# Altium PCB Ixora.PcbDoc (part 5 of 13)
Units mm, origin at the board's own origin, x right, y up, seen from the top; angles counter-clockwise.
Board outline 125 x 90 mm, 6 copper layers (Top Layer, GND, Mid-Layer 1, Mid-Layer 2, POWER, Bottom Layer), stack 1.561 mm thick; 454 components, 512 nets, 2071 pads, 863 vias.
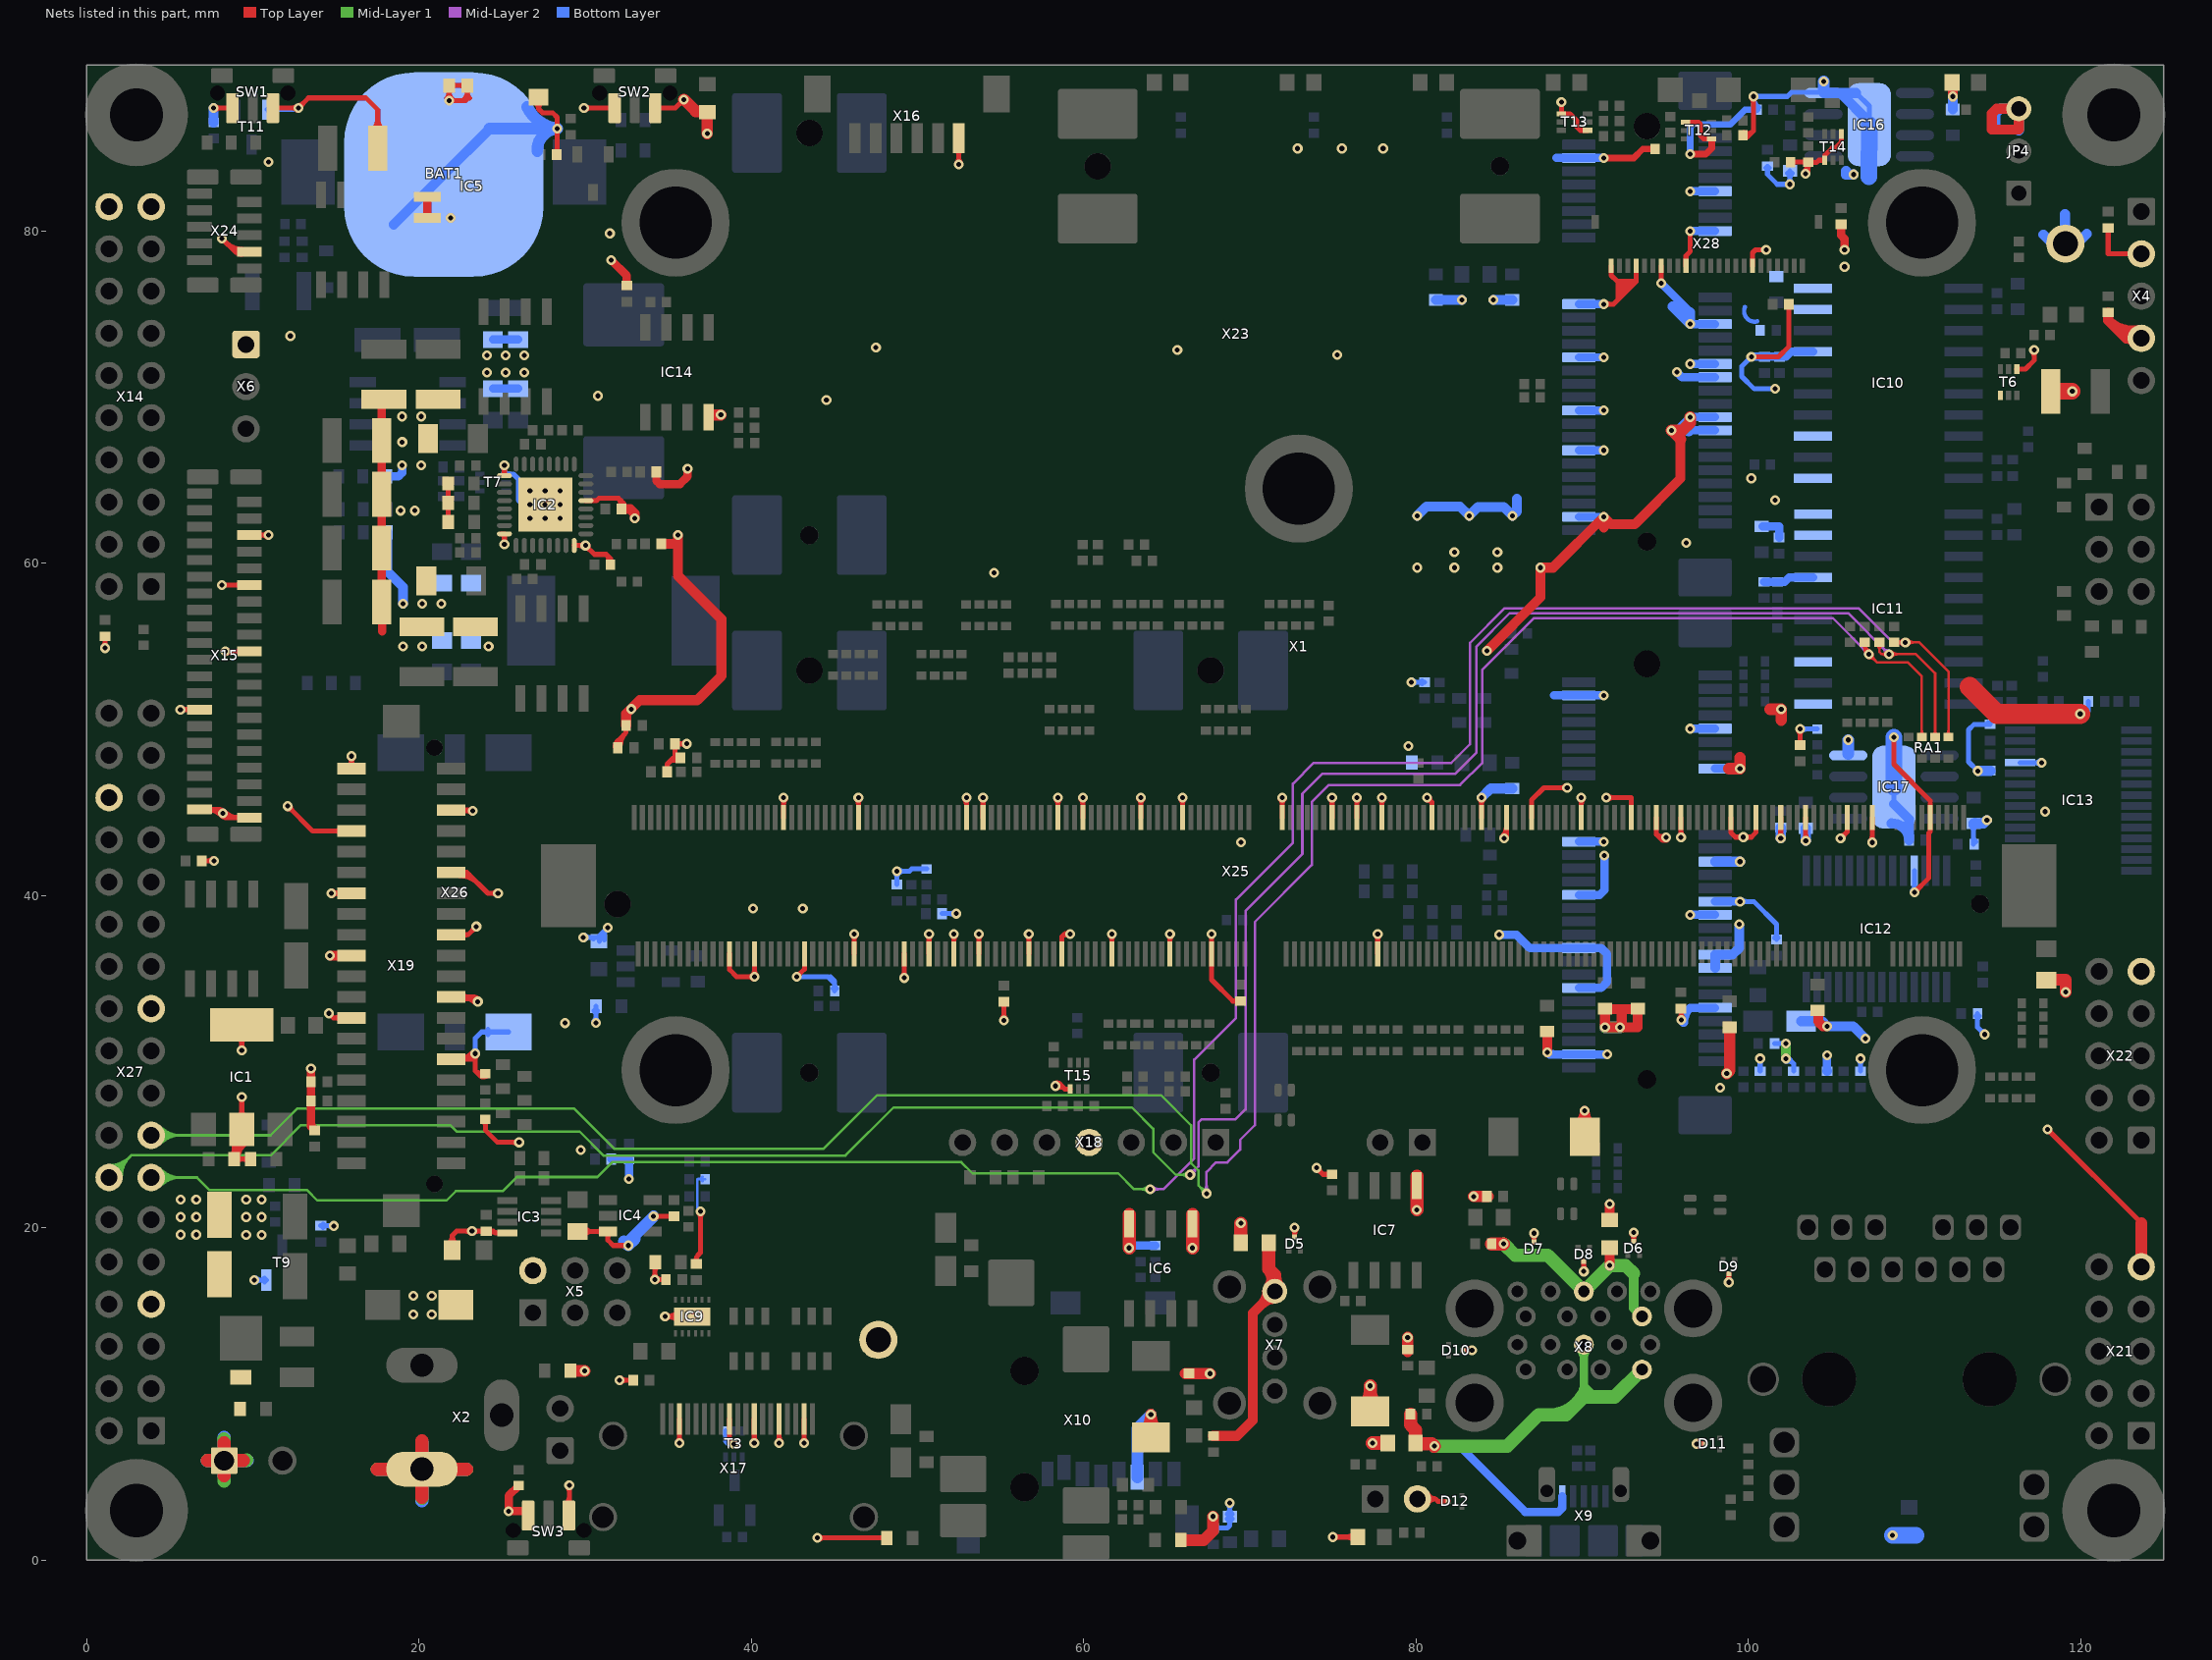
[diagram p9: the nets of this part, all layers, seen from the top]

## Via types
v1: diameter 0.6, hole 0.3, Top Layer to Bottom Layer, tented both sides, 852 vias
v2: diameter 0.6, hole 0.3, Top Layer to Bottom Layer, 11 vias

## Nets (pads, with @x,y where several pads share a name; then routed paths per layer and width w, separated by ;. In a path a pad name is that pad's centre, name@x,y a point inside that pad or via, vN(x,y) a via of type N, cw(c..) or ccw(c..) an arc to the next point about the centre after c; other vN are vias at no path point) (continued)
GND: BAT1.2 C1.1 C2.2 C4.1 C5.1 C6.1 C7.2 C8.2 C9.2 C10.2 C11.2 C12.2 C13.1 C14.1 C15.1 C16.1 C17.1 C18.1 C20.1 C21.1 C22.1 C23.1 C24.1 C25.1 C26.1 C27.1 C28.1 C29.1 C30.1 C31.1 C32.1 C34.1 C35.1 C36.1 C37.1 C38.1 C39.1 C40.1 C41.2 C44.1 C45.1 C47.1 C48.2 C49.2 C50.2 C51.1 C52.1 C53.1 C54.1 C55.1 C56.1 C57.2 C59.1 C60.2 C62.1 C63.2 C65.1 C66.2 C67.1 C68.1 C69.1 C70.1 C71.1 C72.2 C73.1 C74.1 C75.1 C81.1 C84.1 C86.1 C87.1 C88.1 C89.1 C90.1 C91.1 C92.1 C93.1 C94.1 C95.1 C96.1 C97.1 C98.1 C99.1 C100.1 C101.1 C102.1 C103.1 C104.1 C105.1 C108.1 C109.1 C113.1 C114.1 C117.1 C118.1 C122.1 C123.2 C124.1 C127.1 C128.2 C129.1 C133.1 C134.1 C138.1 C139.1 C140.1 C141.1 C142.1 C143.1 C144.1 C145.1 C146.1 C147.1 D5.3 D6.3 D7.3 D8.3 D9.3 D10.3 D11.3 D12.3 IC1.2 IC1.4 IC2.5 IC2.17 IC2.24 IC2.32 IC2.33 IC3.4 IC4.3 IC5.3 IC5.4 IC6.1 IC6.4 IC7.1 IC9.13 IC10.1 IC10.3 IC10.7 IC10.9 IC10.10 IC11.1 IC11.3 IC11.7 IC11.9 IC11.10 IC12.25 IC13.25 IC14.4 IC16.8 IC16.9 IC17.8 IC17.9 JP2.2 JP4.3 L2.2 L3.1 L9.1 L14.1 L17.1 L18.1 L21.2 LED1.1 LED3.1 R2.1 R3.2 R7.1 R8.1 R9.2 R13.1 R21.2 R37.2 R49.1 R65.2 R84.2 R85.2 R87.1 R88.2 R99.1 R102.1 R110.1 R133.1 R144.1 R147.1 SW1.1 SW1.3 SW2.1 SW2.3 SW3.1 SW3.3 T3.1 T6.1 T6.4 T7.1 T9.2 T11.2 T12.1 T12.4 T13.1 T13.4 T14.1 T14.4 T15.1 TP5.1 TP6.1 X1.9 X1.23 X1.29 X1.39 X1.45 X1.51 X1.57 X1.69 X1.75 X1.81 X1.93 X1.105 X1.111 X1.117 X1.129 X1.141 X1.142 X1.147 X1.153 X1.165 X1.182 X1.189 X1.192 X1.199 X1.206 X1.213 X1.218 X1.219 X1.226 X1.237 X1.238 X1.241 X1.244 X1.250 X1.256 X1.267 X1.268 X1.280 X1.285 X1.292 X1.298 X4.2 X4.4 X5.2 X6.1 X10.6 X14.19 X14.20 X15.1 X15.2 X15.14 X15.21 X15.29 X15.35 X16.1 X17.2 X17.5 X17.8 X17.11 X17.17 X18.4 X19.2 X19.5 X19.8 X19.11 X19.14 X19.17 X19.20 X19.23 X19.26 X19.29 X21.9 X22.9 X23.4 X23.9 X23.15 X23.18 X23.21 X23.26 X23.27 X23.29 X23.34 X23.35 X23.37 X23.40 X23.50 X24.3 X25.4 X25.9 X25.15 X25.18 X25.21 X25.26 X25.27 X25.29 X25.34 X25.35 X25.37 X25.40 X25.43 X25.50 X26.5 X27.7 X27.21 X27.32 X28.1 X28.4 X28.7 X28.10 X28.18 | length 768.9
  Top Layer w0.3: v1@1.004,55.006 ccw(c0.748,55.262) 1.11,55.262 ccw(c1.472,55.262) v1@1.216,55.006 ; v1(1.11,54.9) C87.1@1.11,55.61 ; v1(5.65,51.2) X15.14@6.8,51.2 ; v1@5.756,51.094 cw(c6.012,50.838) 6.012,51.2 cw(c6.012,51.562) v1@5.756,51.306 ; X15.14@6.244,51.094 ccw(c5.988,50.838) 5.988,51.2 ccw(c5.988,51.562) X15.14@6.244,51.306 ; X15.2@6.8,45.2 7.95,45.2 ; C96.1@6.94,42.1 v1(7.671,42.1) ; X15.2@7.234,45.2 cw(c7.234,43.984) 8.094,44.844 ccw(c8.441,45.191) 8.441,44.7 ; X15.2@7.356,45.094 cw(c7.612,44.838) 7.612,45.2 cw(c7.612,45.562) X15.2@7.356,45.306 ; v1@7.565,41.994 ccw(c7.309,41.738) 7.309,42.1 ccw(c7.309,42.462) v1@7.565,42.206 ; v1(7.65,87.399) v1(7.65,87.399) SW1.1@8.775,87.4 ; v1@7.756,87.293 cw(c8.015,87.034) 8.015,87.4 ; v1@7.756,87.505 ccw(c8.01,87.759) 8.01,87.4 ; 7.959,45.2 cw(c7.959,44.709) 8.306,45.056 ccw(c9.166,45.916) X15.1@9.166,44.7 ; v1@8.05,44.953 ccw(c7.708,44.958) 7.95,45.2 ; v1(8.15,58.7) X15.29@9.85,58.7 ; v1(8.153,79.553) 8.956,78.75 X24.3@9.8,78.75 ; v1@8.197,45.1 cw(c8.192,45.442) 7.95,45.2 ; v1@8.203,44.8 cw(c8.208,44.458) 8.45,44.7 ; v1@8.35,44.947 ccw(c8.692,44.942) 8.45,44.7 ; v1(8.35,54.7) X15.21@9.8,54.7 ; 8.422,79.285 ccw(c9.35,80.213) X24.3@9.35,78.9 ; v1@8.456,54.594 cw(c8.712,54.338) 8.712,54.7 cw(c8.712,55.062) v1@8.456,54.806 ; C17.1@8.896,24.15 C18.1@9.875,24.15 ; 8.934,78.772 ccw(c9.35,79.189) X24.3@9.35,78.6 ; C17.1@9.037,24.009 cw(c9.379,23.667) 9.379,24.15 cw(c9.379,24.633) C17.1@9.037,24.291 ; v1@9.236,30.806 ccw(c8.98,31.062) 9.342,31.062 ccw(c9.704,31.062) v1@9.448,30.806 ; IC1.4@9.236,31.339 cw(c8.98,31.083) 9.342,31.083 cw(c9.704,31.083) IC1.4@9.448,31.339 ; IC1.2@9.24,26.818 ccw(c8.984,27.074) 9.346,27.074 ccw(c9.708,27.074) IC1.2@9.452,26.818 ; v1@9.241,27.792 cw(c8.985,27.536) 9.347,27.536 cw(c9.709,27.536) v1@9.453,27.792 ; X15.1@9.244,44.594 ccw(c8.988,44.338) 8.988,44.7 ccw(c8.988,45.062) X15.1@9.244,44.806 ; X15.29@9.244,58.594 ccw(c8.988,58.338) 8.988,58.7 ccw(c8.988,59.062) X15.29@9.244,58.806 ; X24.3@9.244,78.644 ccw(c8.988,78.388) 8.988,78.75 ccw(c8.988,79.112) X24.3@9.244,78.856 ; v1(9.342,30.7) 9.346,30.704 IC1.4@9.346,32.224 ; IC1.2@9.346,25.924 v1(9.346,27.894) ; C18.1@9.734,24.009 ccw(c9.392,23.667) 9.392,24.15 ccw(c9.392,24.633) C18.1@9.734,24.291 ; X15.1@9.8,44.7 8.45,44.7 ; X15.35@9.8,61.7 v1(10.95,61.7) ; X15.35@10.356,61.594 cw(c10.612,61.338) 10.612,61.7 cw(c10.612,62.062) X15.35@10.356,61.806 ; v1@10.844,61.594 ccw(c10.588,61.338) 10.588,61.7 ccw(c10.588,62.062) v1@10.844,61.806 ; SW1.3@11.225,87.4 v1(12.749,87.4) 13.36,88.011 16.815,88.011 17.527,87.298 C47.1@17.527,84.988 ; v1@12.116,45.24 cw(c12.116,44.878) 12.372,45.134 cw(c12.628,45.39) v1@12.266,45.39 ; v1(12.116,45.39) 13.606,43.9 X19.8@15.95,43.9 ; v1@12.643,87.294 ccw(c12.387,87.038) 12.387,87.4 ccw(c12.387,87.762) v1@12.643,87.506 ; v1@12.749,87.55 ccw(c12.749,87.912) 13.005,87.656 ccw(c13.261,87.4) v1@12.899,87.4 ; v1(14.58,32.922) 14.852,32.65 X19.26@15.95,32.65 ; v1(14.733,40.142) 14.742,40.15 X19.14@15.95,40.15 ; v1@14.84,40.036 cw(c15.115,39.76) X19.14@15.115,40.15 ; v1@14.84,40.248 ccw(c15.076,40.484) 15.076,40.15 ; 15.065,40.137 cw(c15.114,39.954) X19.14@15.277,40.049 ; X19.20@15.25,36.4 X19.20@15.95,36.4 ; X19.26@15.309,32.509 ccw(c14.967,32.167) 14.967,32.65 ccw(c14.967,33.133) X19.26@15.309,32.791 ; X19.14@15.309,40.009 ccw(c14.967,39.667) 14.967,40.15 ccw(c14.967,40.633) X19.14@15.309,40.291 ; X19.8@15.309,43.759 ccw(c14.967,43.417) 14.967,43.9 ccw(c14.967,44.383) X19.8@15.309,44.041 ; X19.2@15.809,47.791 ccw(c15.467,48.133) 15.95,48.133 ccw(c16.433,48.133) X19.2@16.091,47.791 ; v1@15.844,48.294 cw(c15.588,48.038) 15.95,48.038 cw(c16.312,48.038) v1@16.056,48.294 ; X19.2@15.95,47.65 v1(15.95,48.4) ; C47.1@17.227,86.064 ccw(c16.501,86.789) 17.527,86.789 ccw(c18.553,86.789) C47.1@17.828,86.064 ; C48.2@21.675,88.544 cw(c21.334,88.202) 21.816,88.202 cw(c22.299,88.202) C48.2@21.958,88.544 ; v2@21.679,87.995 ccw(c21.338,88.337) 21.821,88.337 ccw(c22.304,88.337) v2@21.962,87.995 ; C14.1@21.775,62.5 C25.1@21.775,64.798 ; C34.1@21.779,19.031 ccw(c21.32,19.548) 22.012,19.548 ; X19.29@21.95,30.15 23.398,30.15 ; X19.23@21.95,33.9 23.275,33.9 v1(23.55,33.625) ; X19.17@21.95,37.65 22.965,37.65 v1(23.46,38.145) ; X19.11@21.95,41.4 22.9,41.4 ; X19.5@21.95,45.15 23.2,45.15 v1(23.25,45.1) ; C48.2@21.958,88.619 cw(c22.299,88.277) 22.299,88.76 cw(c22.299,89.243) C48.2@21.958,88.901 ; C34.1@22.012,18.669 22.012,19.548 ; X19.29@22.191,30.15 ccw(c22.191,31.707) v1@23.292,30.606 ; C34.1@22.244,19.031 cw(c22.703,19.548) 22.012,19.548 ; X19.11@22.45,41.2 cw(c22.45,39.631) 23.56,40.74 ; X19.11@22.45,41.5 cw(c22.45,40.655) 23.047,41.253 ; X19.23@22.525,33.9 cw(c22.525,32.6) v1@23.444,33.519 ; X19.23@22.55,33.727 cw(c22.825,33.251) 22.967,33.782 ; X19.23@22.591,33.759 cw(c22.933,33.417) 22.933,33.9 cw(c22.933,34.383) X19.23@22.591,34.041 ; X19.17@22.591,37.509 cw(c22.933,37.167) 22.933,37.65 cw(c22.933,38.133) X19.17@22.591,37.791 ; X19.5@22.591,45.009 cw(c22.933,44.667) 22.933,45.15 cw(c22.933,45.633) X19.5@22.591,45.291 ; X19.11@22.598,41.266 cw(c22.9,40.994) 22.9,41.4 ; X19.11@22.598,41.534 ccw(c22.9,41.806) 22.9,41.4 ; X19.5@22.604,45.022 cw(c22.823,44.841) 22.896,45.115 ; X19.23@22.623,34 ccw(c22.984,34.208) 22.876,33.806 ; X19.5@22.767,45.15 cw(c22.767,44.617) v1@23.144,44.994 ; 22.772,87.995 ccw(c22.43,88.337) 22.913,88.337 ccw(c23.396,88.337) 23.054,87.995 ; C49.2@22.775,88.544 cw(c22.434,88.202) 22.916,88.202 cw(c23.399,88.202) C49.2@23.058,88.544 ; C49.2@22.775,88.619 ccw(c22.434,88.277) 22.434,88.76 ccw(c22.434,89.243) C49.2@22.775,88.901 ; 22.915,30.15 ccw(c22.915,30.983) 23.504,30.394 ccw(c23.76,30.138) 23.398,30.138 ccw(c23.036,30.138) v1@23.292,30.394 ; v1@23.094,19.704 ccw(c22.838,19.448) 22.838,19.81 ccw(c22.838,20.172) v1@23.094,19.916 ; 23.249,33.9 cw(c23.249,33.325) v1@23.656,33.731 ; v1@23.306,19.704 cw(c23.562,19.448) 23.562,19.81 cw(c23.562,20.172) v1@23.306,19.916 ; v1@23.31,38.145 cw(c22.948,38.145) 23.204,37.889 cw(c23.46,37.632) v1@23.46,37.995 ; v1(23.398,30.5) 23.398,30.15 ; v1@23.4,33.625 ccw(c23.038,33.625) 23.294,33.881 ccw(c23.55,34.138) v1@23.55,33.775 ; 23.665,29.185 ccw(c23.892,29.413) R99.1@24.062,29.14 ; R99.1@23.879,29.185 ccw(c23.649,28.954) 23.649,29.28 ccw(c23.649,29.606) R99.1@23.879,29.375 ; R99.1@23.903,29.394 cw(c23.687,29.741) 23.398,29.452 ; R102.1@23.904,26.449 cw(c23.674,26.218) 24,26.218 cw(c24.326,26.218) R102.1@24.095,26.449 ; C32.1@23.911,19.711 ccw(c23.672,19.472) 23.672,19.81 ccw(c23.672,20.148) C32.1@23.911,19.909 ; R102.1@24,26.544 24,25.883 24.728,25.155 v1(26.035,25.155) ; R99.1@24,29.28 23.57,29.28 23.398,29.452 ; C32.1@24.182,19.704 cw(c24.383,19.473) 24.6,19.69 ; C32.1@24.189,19.711 cw(c24.428,19.472) 24.428,19.81 cw(c24.428,20.148) C32.1@24.189,19.909 ; v1@24.66,40.041 ccw(c24.404,39.785) 24.404,40.147 ccw(c24.404,40.509) v1@24.66,40.253 ; v1(24.766,40.147) 24.153,40.147 22.9,41.4 ; IC3.4@24.903,19.74 cw(c24.74,20.071) 24.48,19.81 ; IC2.24@24.97,61.775 IC2.24@25.15,61.775 v1(25.15,61.14) ; v1@25.044,65.787 cw(c24.788,65.531) 25.15,65.531 cw(c25.512,65.531) v1@25.256,65.787 ; IC2.17@25.15,65.275 v1(25.15,65.893) v1@25.15,65.985 ; IC3.4@25.335,19.695 25.33,19.69 24.6,19.69 ; v1@25.929,25.049 ccw(c25.673,24.793) 25.673,25.155 ccw(c25.673,25.517) v1@25.929,25.261 ; 26.137,2.957 cw(c26.137,2.26) SW3.3@26.631,2.753 ; C50.2@26.991,87.778 cw(c26.666,87.351) 27.203,87.351 ; C50.2@27.203,88.057 27.203,87.351 ; C50.2@27.415,87.778 ccw(c27.741,87.351) 27.203,87.351 ; C51.1@28.204,84.746 ccw(c27.922,85.029) 28.321,85.029 ; C51.1@28.321,84.607 v1(28.321,86.157) 28.321,86.843 28.042,87.122 27.432,87.122 27.203,87.351 ; 28.321,84.942 ccw(c28.597,84.942) C51.1@28.402,84.746 ; SW3.1@28.868,3.384 ccw(c28.43,3.822) 29.05,3.822 ; v1@28.944,4.419 cw(c28.688,4.163) 29.05,4.163 cw(c29.412,4.163) v1@29.156,4.419 ; SW3.1@29.05,2.7 v1(29.05,4.525) ; 29.05,3.714 ccw(c29.517,3.714) SW3.1@29.187,3.384 ; IC2.32@29.35,61.075 v1(30.025,61.075) 30.561,60.538 31.275,60.538 ; C35.1@29.55,19.8 29.561,19.789 IC4.3@31.375,19.789 31.375,19.27 31.696,18.949 v1(32.6,18.949) ; C35.1@29.897,19.553 cw(c30.468,18.982) 30.468,19.789 ; C35.1@29.897,20.047 ccw(c30.522,20.672) 30.522,19.789 ; v1@29.919,60.969 ccw(c29.663,60.713) 29.663,61.075 ccw(c29.663,61.437) v1@29.919,61.181 ; v1(29.934,87.4) SW2.1@31.775,87.4 ; v1@30.025,60.925 cw(c30.025,60.563) 30.281,60.819 cw(c30.537,61.075) v1@30.175,61.075 ; v1@30.04,87.294 cw(c30.296,87.038) 30.296,87.4 cw(c30.296,87.762) v1@30.04,87.506 ; IC2.5@30.05,63.775 30.692,63.775 30.849,63.932 32.004,63.932 ; IC4.3@31.019,19.683 ccw(c30.763,19.427) 30.763,19.789 ccw(c30.763,20.151) IC4.3@31.019,19.895 ; IC4.3@31.269,19.683 cw(c31.013,19.427) 31.375,19.427 cw(c31.737,19.427) IC4.3@31.481,19.683 ; R7.1@31.402,59.993 ccw(c30.899,60.163) 31.275,60.538 ; R7.1@31.435,60.045 ccw(c31.204,60.276) 31.53,60.276 ccw(c31.856,60.276) R7.1@31.625,60.045 ; R7.1@31.53,59.925 31.53,60.283 31.275,60.538 ; C94.1@31.81,48.939 cw(c32.334,48.943) 31.964,49.314 ; C94.1@31.871,49.039 ccw(c31.632,49.278) 31.97,49.278 ccw(c32.308,49.278) C94.1@32.069,49.039 ; C94.1@31.97,48.9 31.97,49.32 32.47,49.82 ; C28.1@32.074,63.386 ccw(c31.686,63.613) 32.004,63.932 ; v1(32.077,10.842) C88.1@32.903,10.842 ; C28.1@32.096,63.414 ccw(c31.857,63.653) 32.195,63.653 ccw(c32.533,63.653) C28.1@32.294,63.414 ; C94.1@32.11,48.941 cw(c33.339,48.951) 32.47,49.82 ; v1@32.183,10.736 cw(c32.439,10.48) 32.439,10.842 cw(c32.439,11.204) v1@32.183,10.948 ; C28.1@32.195,63.275 32.195,63.741 32.004,63.932 ; 32.279,63.657 cw(c32.032,63.41) C28.1@32.333,63.234 ; C93.1@32.47,50.25 32.47,49.82 ; C88.1@32.804,10.743 ccw(c32.565,10.504) 32.565,10.842 ccw(c32.565,11.18) C88.1@32.804,10.941 ; C55.1@34.084,17.724 cw(c33.803,17.443) 34.2,17.443 ; v1@34.094,17.006 ccw(c33.838,17.262) 34.2,17.262 ccw(c34.562,17.262) 34.306,17.006 ccw(c34.562,17.262) 34.562,16.9 ccw(c34.562,16.538) v1@34.306,16.794 ; v1(34.125,20.7) 34.135,20.71 C41.2@35.35,20.71 ; 34.2,17.322 cw(c34.768,17.322) C55.1@34.366,17.724 ; C55.1@34.225,17.941 34.2,17.916 v1(34.2,16.9) C66.2@34.87,16.9 ; SW2.3@34.225,87.4 35.434,87.4 v1(35.946,87.912) ; v1@34.231,20.594 cw(c34.511,20.314) 34.511,20.71 ; v1@34.231,20.806 ccw(c34.463,21.038) 34.463,20.71 ; C66.2@34.771,16.801 ccw(c34.532,16.562) 34.532,16.9 ccw(c34.532,17.238) C66.2@34.771,16.999 ; v1(34.81,14.675) IC9.13@36.45,14.675 ; v1@34.916,14.569 cw(c35.172,14.313) 35.172,14.675 ; v1@34.916,14.781 ccw(c35.172,15.037) 35.172,14.675 ; C92.1@34.937,47.45 34.937,47.912 35.325,48.3 ; C41.2@35.211,20.611 ccw(c34.972,20.372) 34.972,20.71 ccw(c34.972,21.048) C41.2@35.211,20.809 ; 35.241,48.15 35.417,48.15 ; C91.1@35.315,49.001 cw(c35.069,48.755) 35.417,48.755 ; 35.417,48.769 cw(c35.745,48.769) C91.1@35.513,49.001 ; C91.1@35.513,49.041 cw(c35.752,48.802) 35.752,49.14 cw(c35.752,49.478) C91.1@35.513,49.239 ; v1@35.577,7.156 ccw(c35.321,7.412) 35.683,7.412 ccw(c36.045,7.412) v1@35.789,7.156 ; IC9.13@35.617,14.392 ccw(c34.934,13.709) 34.934,14.675 ccw(c34.934,15.641) IC9.13@35.617,14.958 ; v1(35.683,7.05) X17.17@35.683,8.5 ; C90.1@35.744,48.3 35.594,48.15 35.417,48.15 ; v1@35.796,87.912 cw(c35.434,87.912) 35.69,87.656 cw(c35.946,87.399) v1@35.946,87.762 ; v1@36.009,49.034 ccw(c35.753,48.778) 35.753,49.14 ccw(c35.753,49.502) v1@36.009,49.246 ; v1(36.115,49.14) C91.1@35.414,49.14 35.417,49.137 35.417,48.15 ; C95.1@36.7,17.84 36.7,18.245 36.818,18.363 36.818,18.389 36.95,18.521 v1(36.95,21) ; v1@36.844,20.894 cw(c36.588,20.638) 36.95,20.638 cw(c37.312,20.638) v1@37.056,20.894 ; L18.1@37.3,87.2 L18.1@37.35,87.15 ; X17.11@38.683,8.5 38.683,7.267 v1(38.95,7) ; X1.298@38.7,36.5 38.7,35.544 39.122,35.122 v1(40.2,35.122) ; v1@38.8,7 ccw(c38.438,7) 38.694,7.256 ccw(c38.95,7.512) v1@38.95,7.15 ; v1@40.077,7.156 ccw(c39.821,7.412) 40.183,7.412 ccw(c40.545,7.412) v1@40.289,7.156 ; v1@40.094,35.016 ccw(c39.838,34.76) 39.838,35.122 ccw(c39.838,35.484) 40.094,35.228 ccw(c39.838,35.484) 40.2,35.484 ccw(c40.562,35.484) v1@40.306,35.228 ; v1(40.183,7.05) X17.8@40.183,8.5 ; v1@40.2,35.3 X1.292@40.2,36.5 ; v1@41.577,7.156 ccw(c41.321,7.412) 41.683,7.412 ccw(c42.045,7.412) v1@41.789,7.156 ; v1(41.683,7.05) X17.5@41.683,8.5 ; v1@41.844,45.794 cw(c41.588,45.538) 41.95,45.538 cw(c42.312,45.538) v1@42.056,45.794 ; X1.285@41.95,44.7 v1(41.95,45.9) ; v1(42.743,35.122) 43.2,35.579 X1.280@43.2,36.5 ; v1@43.077,7.156 ccw(c42.821,7.412) 43.183,7.412 ccw(c43.545,7.412) v1@43.289,7.156 ; v1(43.183,7.05) X17.2@43.183,8.5 ; v1(43.987,1.35) C84.1@48.156,1.35 ; v1@44.093,1.244 cw(c44.349,0.988) 44.349,1.35 cw(c44.349,1.712) v1@44.093,1.456 ; v1@46.094,37.594 cw(c45.838,37.338) 46.2,37.338 cw(c46.562,37.338) v1@46.306,37.594 ; X1.268@46.2,36.5 v1(46.2,37.7) ; v1@46.344,45.794 cw(c46.088,45.538) 46.45,45.538 cw(c46.812,45.538) v1@46.556,45.794 ; X1.267@46.45,44.7 v1(46.45,45.9) ; v1@49.094,35.156 ccw(c48.838,35.412) 49.2,35.412 ccw(c49.562,35.412) v1@49.306,35.156 ; v1(49.2,35.05) X1.256@49.2,36.5 ; v1@50.594,37.594 cw(c50.338,37.338) 50.7,37.338 cw(c51.062,37.338) v1@50.806,37.594 ; X1.250@50.7,36.5 v1(50.7,37.7) ; v1@52.094,37.594 cw(c51.838,37.338) 52.2,37.338 cw(c52.562,37.338) v1@52.306,37.594 ; X1.244@52.2,36.5 v1(52.2,37.7) ; X16.1@52.349,84.907 cw(c52.007,84.565) 52.49,84.565 cw(c52.973,84.565) X16.1@52.631,84.907 ; v1@52.384,84.116 ccw(c52.128,84.372) 52.49,84.372 ccw(c52.852,84.372) v1@52.596,84.116 ; v1(52.49,84.01) X16.1@52.49,85.501 ; v1@52.844,45.794 cw(c52.588,45.538) 52.95,45.538 cw(c53.312,45.538) v1@53.056,45.794 ; X1.241@52.95,44.7 v1(52.95,45.9) ; v1@53.594,37.594 cw(c53.338,37.338) 53.7,37.338 cw(c54.062,37.338) v1@53.806,37.594 ; X1.238@53.7,36.5 v1(53.7,37.7) ; v1@53.844,45.794 cw(c53.588,45.538) 53.95,45.538 cw(c54.312,45.538) v1@54.056,45.794 ; X1.237@53.95,44.7 v1(53.95,45.9) ; v1@55.094,32.601 ccw(c54.838,32.858) 55.2,32.858 ccw(c55.562,32.858) v1@55.306,32.601 ; C103.1@55.101,33.513 cw(c54.862,33.274) 55.2,33.274 cw(c55.538,33.274) C103.1@55.299,33.513 ; v1(55.2,32.495) C103.1@55.2,33.612 ; v1@56.594,37.594 cw(c56.338,37.338) 56.7,37.338 cw(c57.062,37.338) v1@56.806,37.594 ; X1.226@56.7,36.5 v1(56.7,37.7) ; v1@58.219,28.676 cw(c58.391,28.407) 58.617,28.633 ; v1(58.3,28.55) 58.7,28.55 58.881,28.369 ; v1@58.344,45.794 cw(c58.088,45.538) 58.45,45.538 cw(c58.812,45.538) v1@58.556,45.794 ; v1@58.381,28.424 cw(c58.597,28.085) 58.881,28.369 ; v1@58.406,28.444 cw(c58.662,28.188) 58.662,28.55 cw(c58.662,28.912) v1@58.406,28.656 ; X1.219@58.45,44.7 v1(58.45,45.9) ; X1.218@58.7,36.5 58.7,37.542 ; v1@59.09,37.598 ccw(c58.858,37.386) 58.858,37.7 ; v1@59.09,37.802 cw(c58.858,38.014) 58.858,37.7 ; v1@59.114,37.577 ccw(c58.928,37.314) 58.7,37.542 ; T15.1@59.183,28.369 58.881,28.369 ; v1(59.2,37.7) 58.858,37.7 ; v1@59.844,45.794 cw(c59.588,45.538) 59.95,45.538 cw(c60.312,45.538) v1@60.056,45.794 ; X1.213@59.95,44.7 v1(59.95,45.9) ; v1@61.594,37.594 cw(c61.338,37.338) 61.7,37.338 cw(c62.062,37.338) v1@61.806,37.594 ; X1.206@61.7,36.5 v1(61.7,37.7) ; v1@63.344,45.794 cw(c63.088,45.538) 63.45,45.538 cw(c63.812,45.538) v1@63.556,45.794 ; X1.199@63.45,44.7 v1(63.45,45.9) ; v1@65.094,37.594 cw(c64.838,37.338) 65.2,37.338 cw(c65.562,37.338) v1@65.306,37.594 ; X1.192@65.2,36.5 v1(65.2,37.7) ; v1@65.844,45.794 cw(c65.588,45.538) 65.95,45.538 cw(c66.312,45.538) v1@66.056,45.794 ; X1.189@65.95,44.7 v1(65.95,45.9) ; v1(67.7,37.7) X1.182@67.7,36.5 67.7,34.941 68.981,33.66 C13.1@69.45,33.66 ; v1@71.844,45.794 cw(c71.588,45.538) 71.95,45.538 cw(c72.312,45.538) v1@72.056,45.794 ; X1.165@71.95,44.7 v1(71.95,45.9) ; v1@72.594,19.913 cw(c72.338,19.657) 72.7,19.657 cw(c73.062,19.657) v1@72.806,19.913 ; D5.3@72.7,19.475 v1(72.7,20.019) ; v1@74.013,23.47 cw(c74.013,23.108) 74.27,23.364 cw(c74.526,23.62) v1@74.163,23.62 ; v1(74.013,23.62) 74.403,23.23 R49.1@74.95,23.23 ; R49.1@74.83,23.135 ccw(c74.599,22.904) 74.599,23.23 ccw(c74.599,23.556) R49.1@74.83,23.325 ; v1@74.844,45.794 cw(c74.588,45.538) 74.95,45.538 cw(c75.312,45.538) v1@75.056,45.794 ; X1.153@74.95,44.7 v1(74.95,45.9) ; v1(75,1.4) LED3.1@76.5,1.4 ; v1@75.106,1.294 cw(c75.362,1.038) 75.362,1.4 cw(c75.362,1.762) v1@75.106,1.506 ; LED3.1@76.288,1.188 ccw(c75.776,0.676) 75.776,1.4 ccw(c75.776,2.124) LED3.1@76.288,1.612 ; v1@76.344,45.794 cw(c76.088,45.538) 76.45,45.538 cw(c76.812,45.538) v1@76.556,45.794 ; X1.147@76.45,44.7 v1(76.45,45.9) ; v1@77.594,37.594 cw(c77.338,37.338) 77.7,37.338 cw(c78.062,37.338) v1@77.806,37.594 ; X1.142@77.7,36.5 v1(77.7,37.7) ; v1@77.844,45.794 cw(c77.588,45.538) 77.95,45.538 cw(c78.312,45.538) v1@78.056,45.794 ; X1.141@77.95,44.7 v1(77.95,45.9) ; JP2.2@80.09,3.7 81.178,3.7 ; v1@80.671,45.75 cw(c80.671,45.388) 80.927,45.644 cw(c81.183,45.9) v1@80.821,45.9 ; v1(80.671,45.9) 80.95,45.621 X1.129@80.95,44.7 ; JP2.2@80.695,3.4 cw(c81.178,3.16) 81.178,3.7 ; JP2.2@80.695,4 ccw(c81.178,4.24) 81.178,3.7 ; D12.3@81.925,3.55 81.328,3.55 81.178,3.7 ; D10.3@82.825,12.636 v1(83.369,12.636) ; v1@83.263,12.53 ccw(c83.007,12.274) 83.007,12.636 ccw(c83.007,12.998) v1@83.263,12.742 ; v1@83.844,45.794 cw(c83.588,45.538) 83.95,45.538 cw(c84.312,45.538) v1@84.056,45.794 ; X1.117@83.95,44.7 v1(83.95,45.9) ; v1@85.192,43.56 ccw(c84.568,44.184) X1.111@85.45,44.184 ; v1(85.298,43.454) 85.45,43.606 X1.111@85.45,44.7 ; X1.105@86.95,44.7 86.95,45.75 87.7,46.5 v1(89.1,46.5) ; v1@86.994,19.58 cw(c86.738,19.324) 87.1,19.324 cw(c87.462,19.324) v1@87.206,19.58 ; D7.3@87.1,19.142 D7.3@87.1,19.161 v1(87.1,19.686) ; T13.4@88.745,87.063 T13.4@88.75,87.063 ; v1(88.75,87.75) T13.4@88.75,87.063 ; v1@88.994,46.394 ccw(c88.738,46.138) 88.738,46.5 ccw(c88.738,46.862) v1@88.994,46.606 ; v1@89.844,45.794 cw(c89.588,45.538) 89.95,45.538 cw(c90.312,45.538) v1@90.056,45.794 ; X1.93@89.95,44.7 v1(89.95,45.9) ; v1@89.994,17.492 ccw(c89.738,17.748) 90.1,17.748 ccw(c90.462,17.748) v1@90.206,17.492 ; v1(90.1,17.386) D8.3@90.1,17.986 ; T13.1@90.325,86.063 89.883,86.063 89.662,86.284 89.662,86.665 89.264,87.063 T13.4@88.75,87.063 ; v1(91.3,75.6) 91.888,75.6 93.25,76.962 ; v1@91.406,75.494 cw(c91.662,75.238) 91.662,75.6 cw(c91.662,75.962) v1@91.406,75.706 ; v1(91.455,45.9) 92.95,45.9 X1.81@92.95,44.7 ; v1@91.561,45.794 cw(c91.817,45.538) 91.817,45.9 cw(c91.817,46.262) v1@91.561,46.006 ; X28.1@91.75,77.905 91.75,77.338 92.126,76.962 ; 92.151,75.87 92.151,76.505 ; 92.304,76.251 92.888,76.835 ; 92.583,76.937 92.151,76.505 ; v1@92.994,19.616 cw(c92.738,19.36) 93.1,19.36 cw(c93.462,19.36) v1@93.206,19.616 ; D6.3@93.1,19.197 v1(93.1,19.722) ; X28.4@93.25,77.905 93.25,76.962 ; X1.75@94.45,44.7 94.45,43.7 ; 94.727,43.423 ccw(c94.96,43.656) v1@95.125,43.37 ; v1(94.75,76.868) X28.7@94.75,77.905 ; v1@94.944,43.394 ccw(c94.688,43.138) 94.688,43.5 ccw(c94.688,43.862) v1@94.944,43.606 ; v1@94.975,43.63 cw(c94.758,44.008) 94.45,43.7 ; v1(95.05,43.5) 94.65,43.5 94.45,43.7 ; v1@95.844,43.606 ccw(c95.588,43.862) 95.95,43.862 ccw(c96.312,43.862) v1@96.056,43.606 ; v1@95.865,32.634 ccw(c95.609,32.89) 95.971,32.89 ccw(c96.333,32.89) v1@96.077,32.634 ; v1(95.95,43.5) X1.69@95.95,44.7 ; v1(95.971,32.528) C52.1@95.971,33.21 ; T12.1@96.213,86.555 97,86.555 97.13,86.426 97.13,85.725 97.299,85.555 T12.4@97.793,85.555 ; X28.10@96.25,77.905 96.25,78.521 96.5,78.771 v1(96.5,80) ; v1(96.9,7.011) D11.3@97.425,7.011 D11.3@97.444,7.011 ; v1@97.006,6.904 cw(c97.262,6.648) 97.262,7.011 cw(c97.262,7.373) v1@97.006,7.117 ; v1@98.717,16.838 ccw(c98.461,17.094) 98.823,17.094 ccw(c99.185,17.094) v1@98.929,16.838 ; v1(98.823,16.732) D9.3@98.823,17.257 ; X1.57@98.95,44.7 98.95,43.798 99.222,43.526 v1(99.701,43.526) 100.18,43.526 100.45,43.797 X1.51@100.45,44.7 ; R65.2@99.593,85.653 ccw(c99.754,85.973) 100.007,85.72 ; v1@99.595,43.42 ccw(c99.338,43.164) 99.338,43.526 ccw(c99.338,43.888) v1@99.595,43.632 ; R65.2@99.667,85.776 100.062,85.776 100.3,86.013 ; R65.2@99.728,85.921 ccw(c99.95,86.363) 100.3,86.013 ; R65.2@99.762,85.68 cw(c99.993,85.45) 99.993,85.776 cw(c99.993,86.102) R65.2@99.762,85.871 ; v1@99.807,43.42 cw(c100.063,43.164) 100.063,43.526 cw(c100.063,43.888) v1@99.807,43.632 ; v1(100.18,72.435) 101.823,72.435 102.446,73.058 C133.1@102.446,75.59 ; v1@100.194,87.994 